# Altium PCB MCU009A_PCB.PcbDoc (part 1 of 4) (continued)
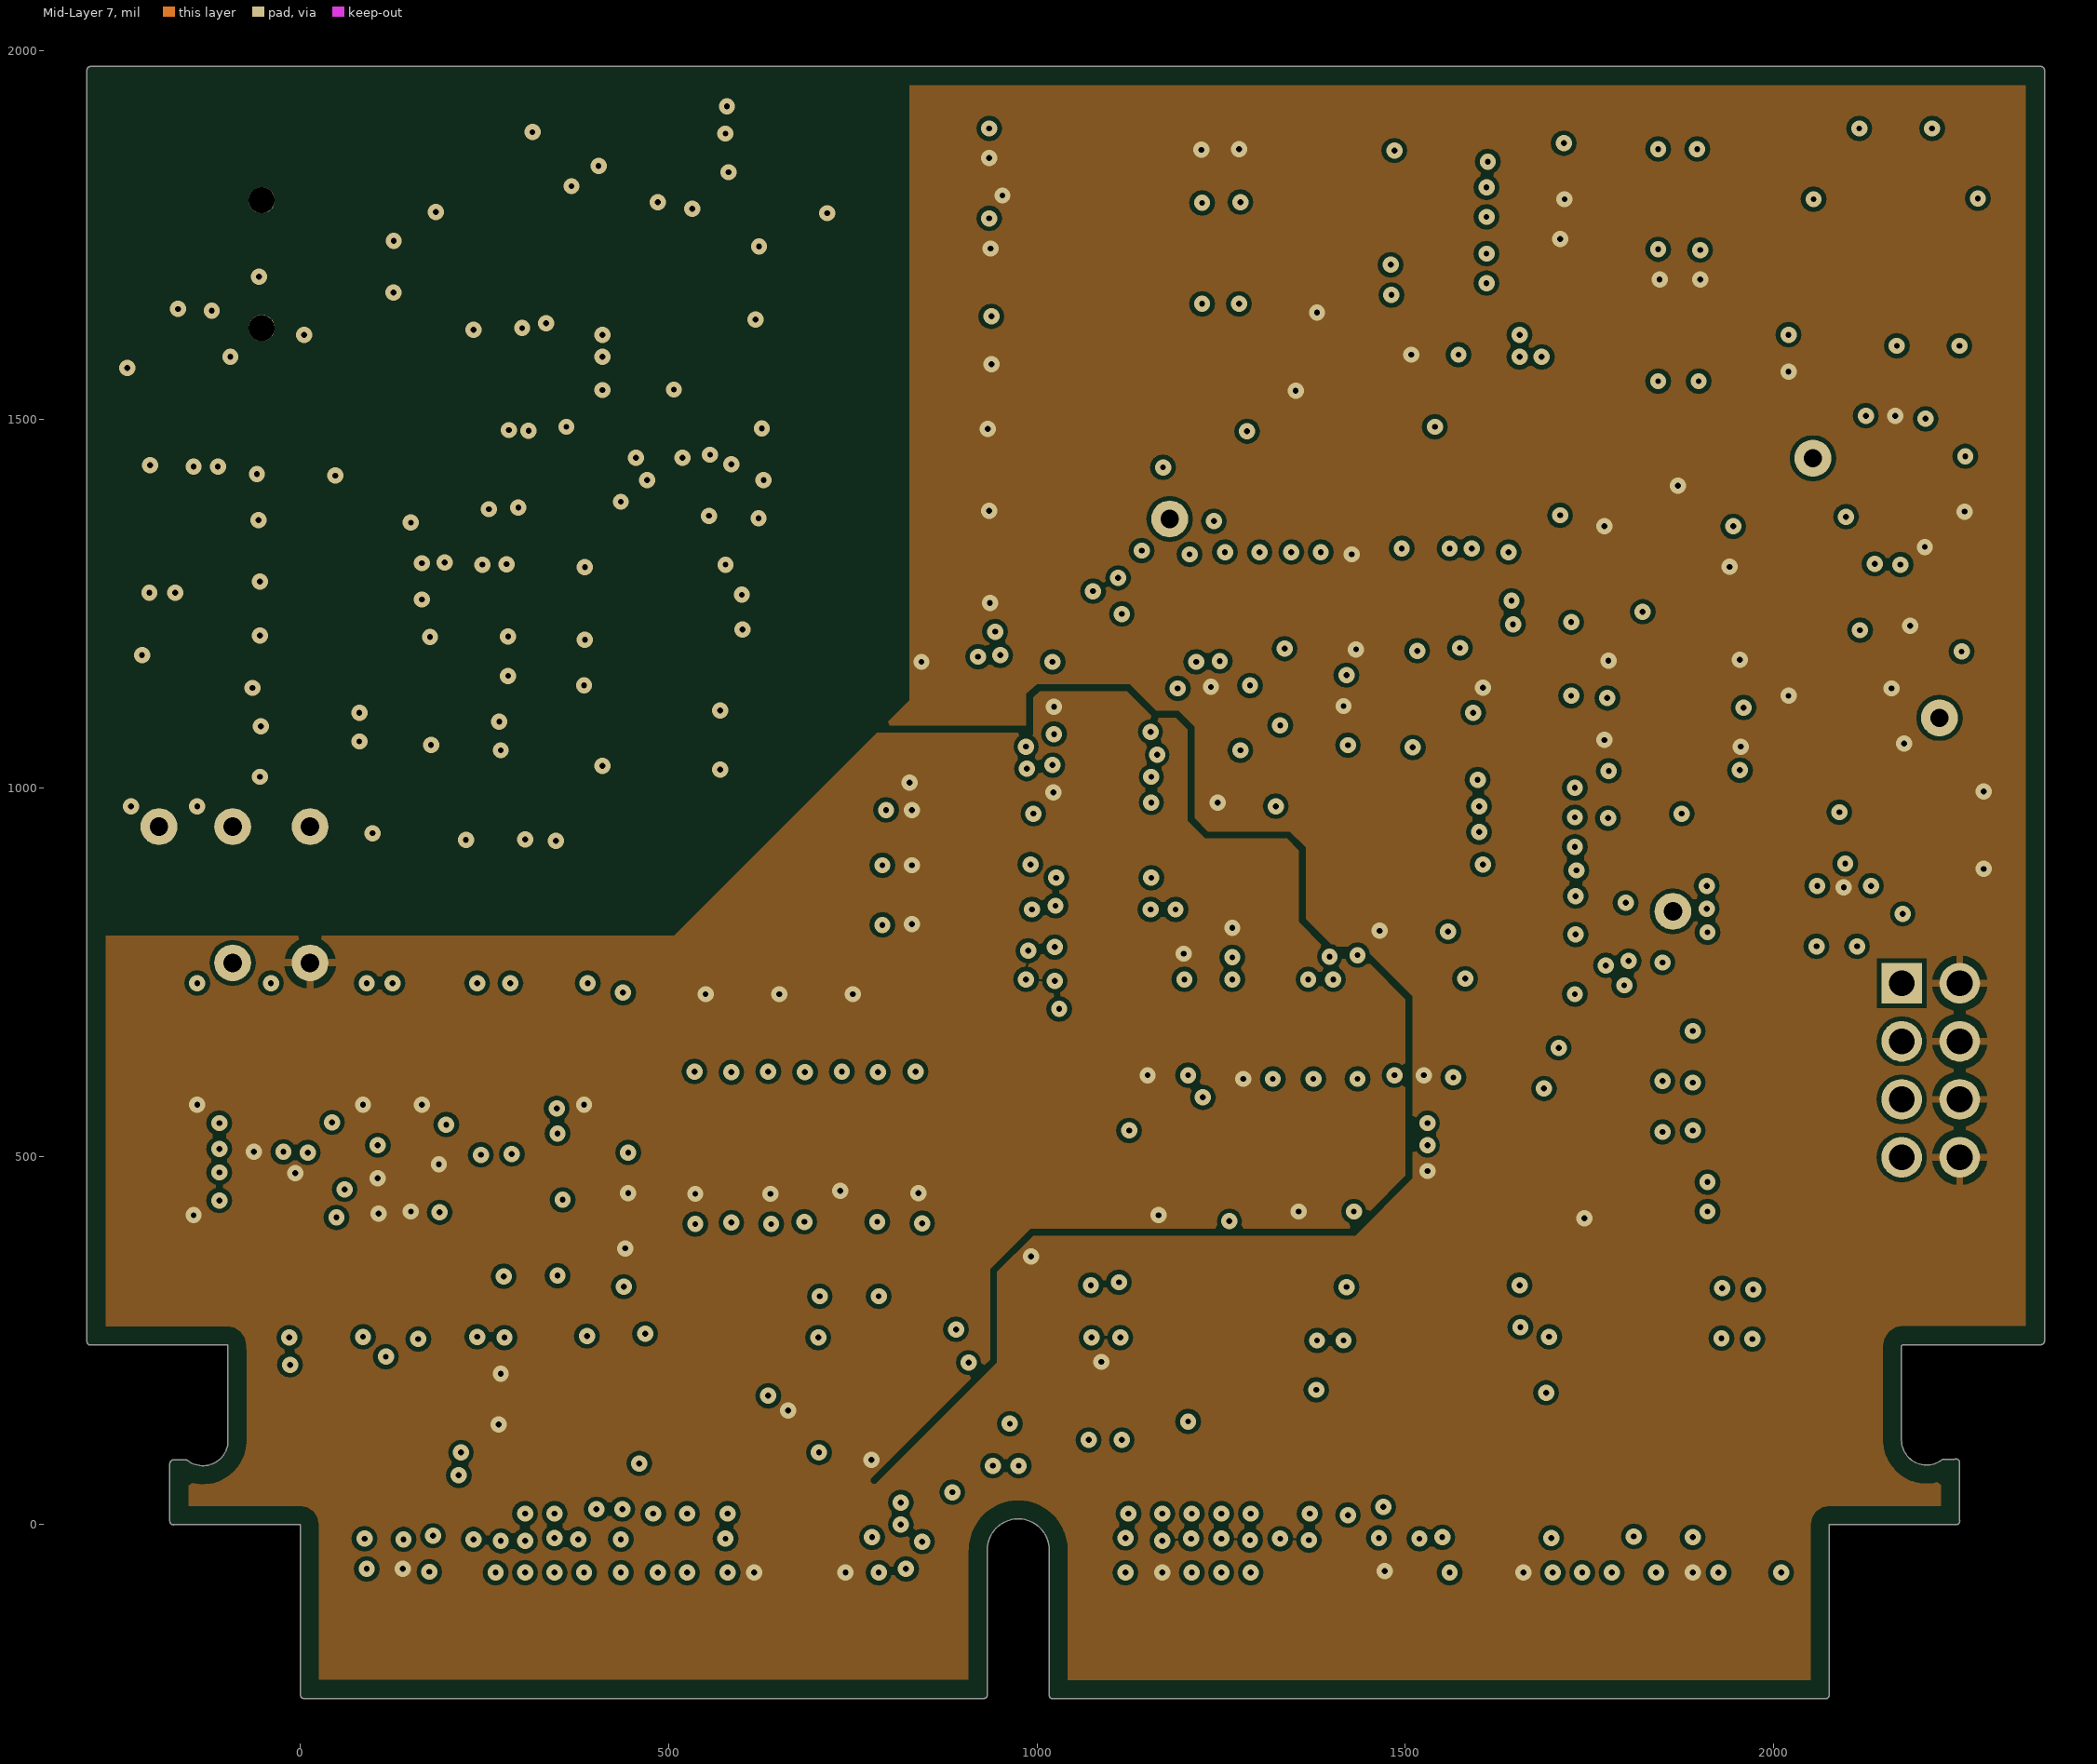
[diagram p7: Mid-Layer 7]
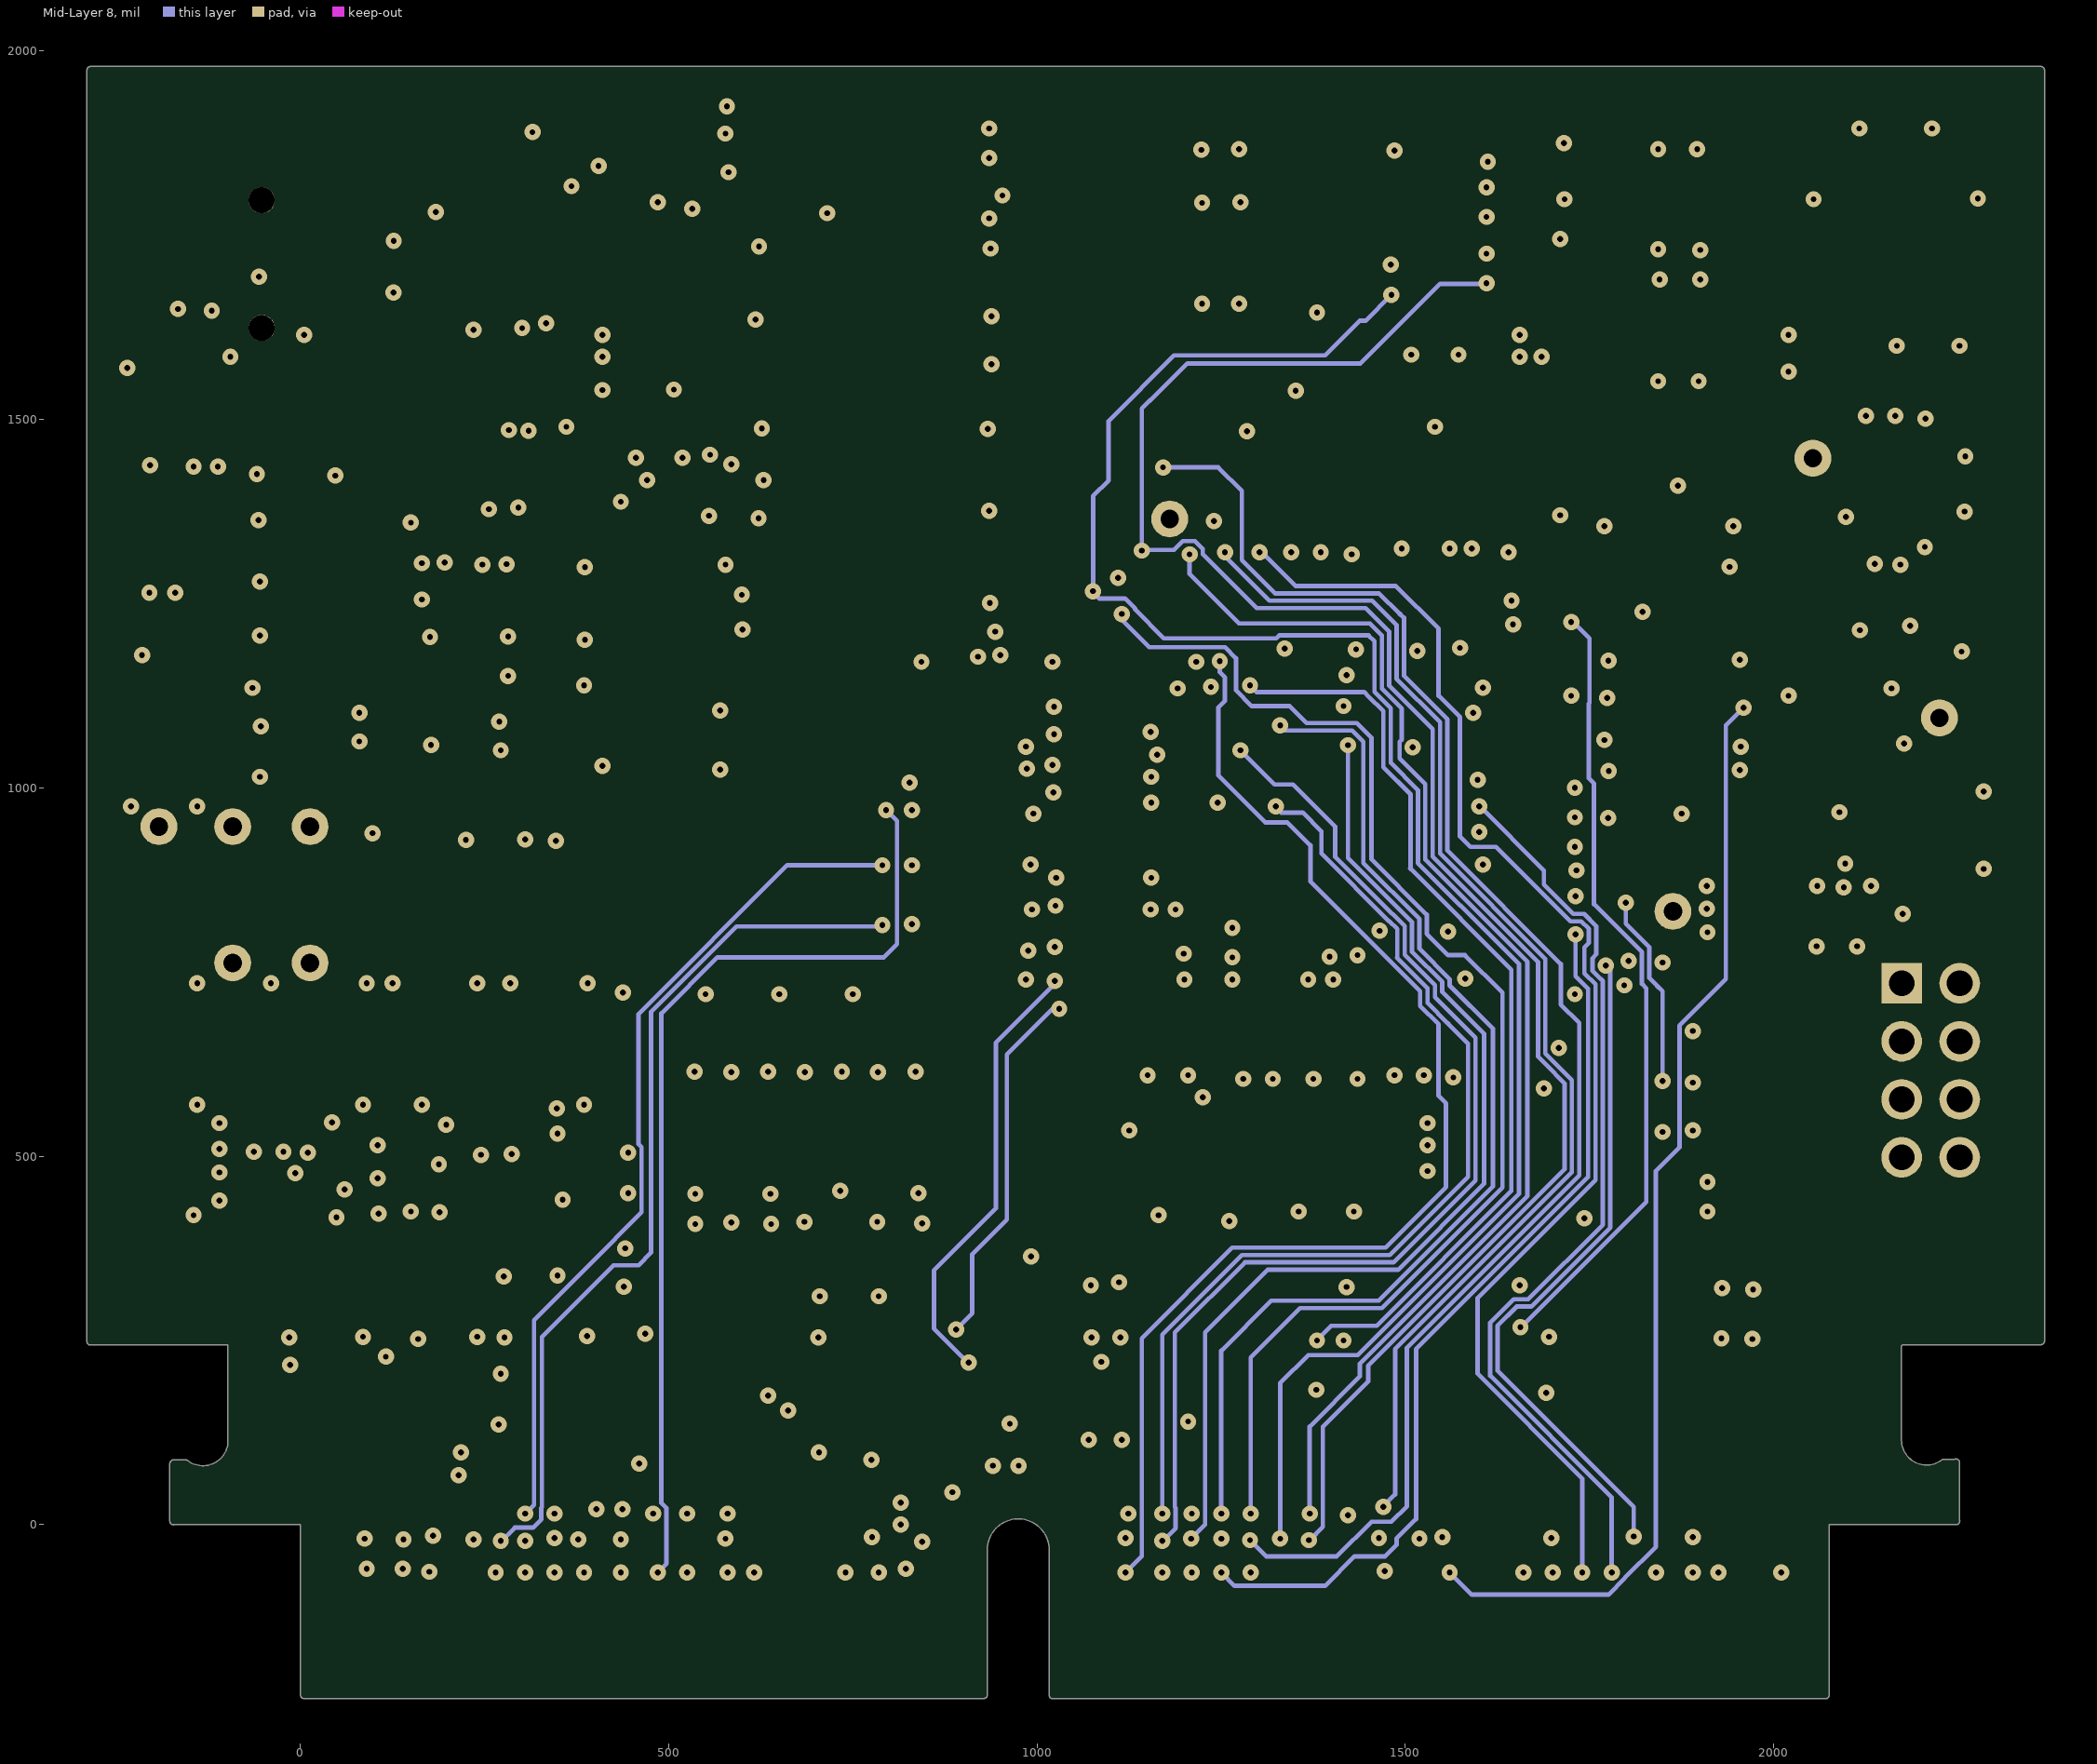
[diagram p8: Mid-Layer 8]
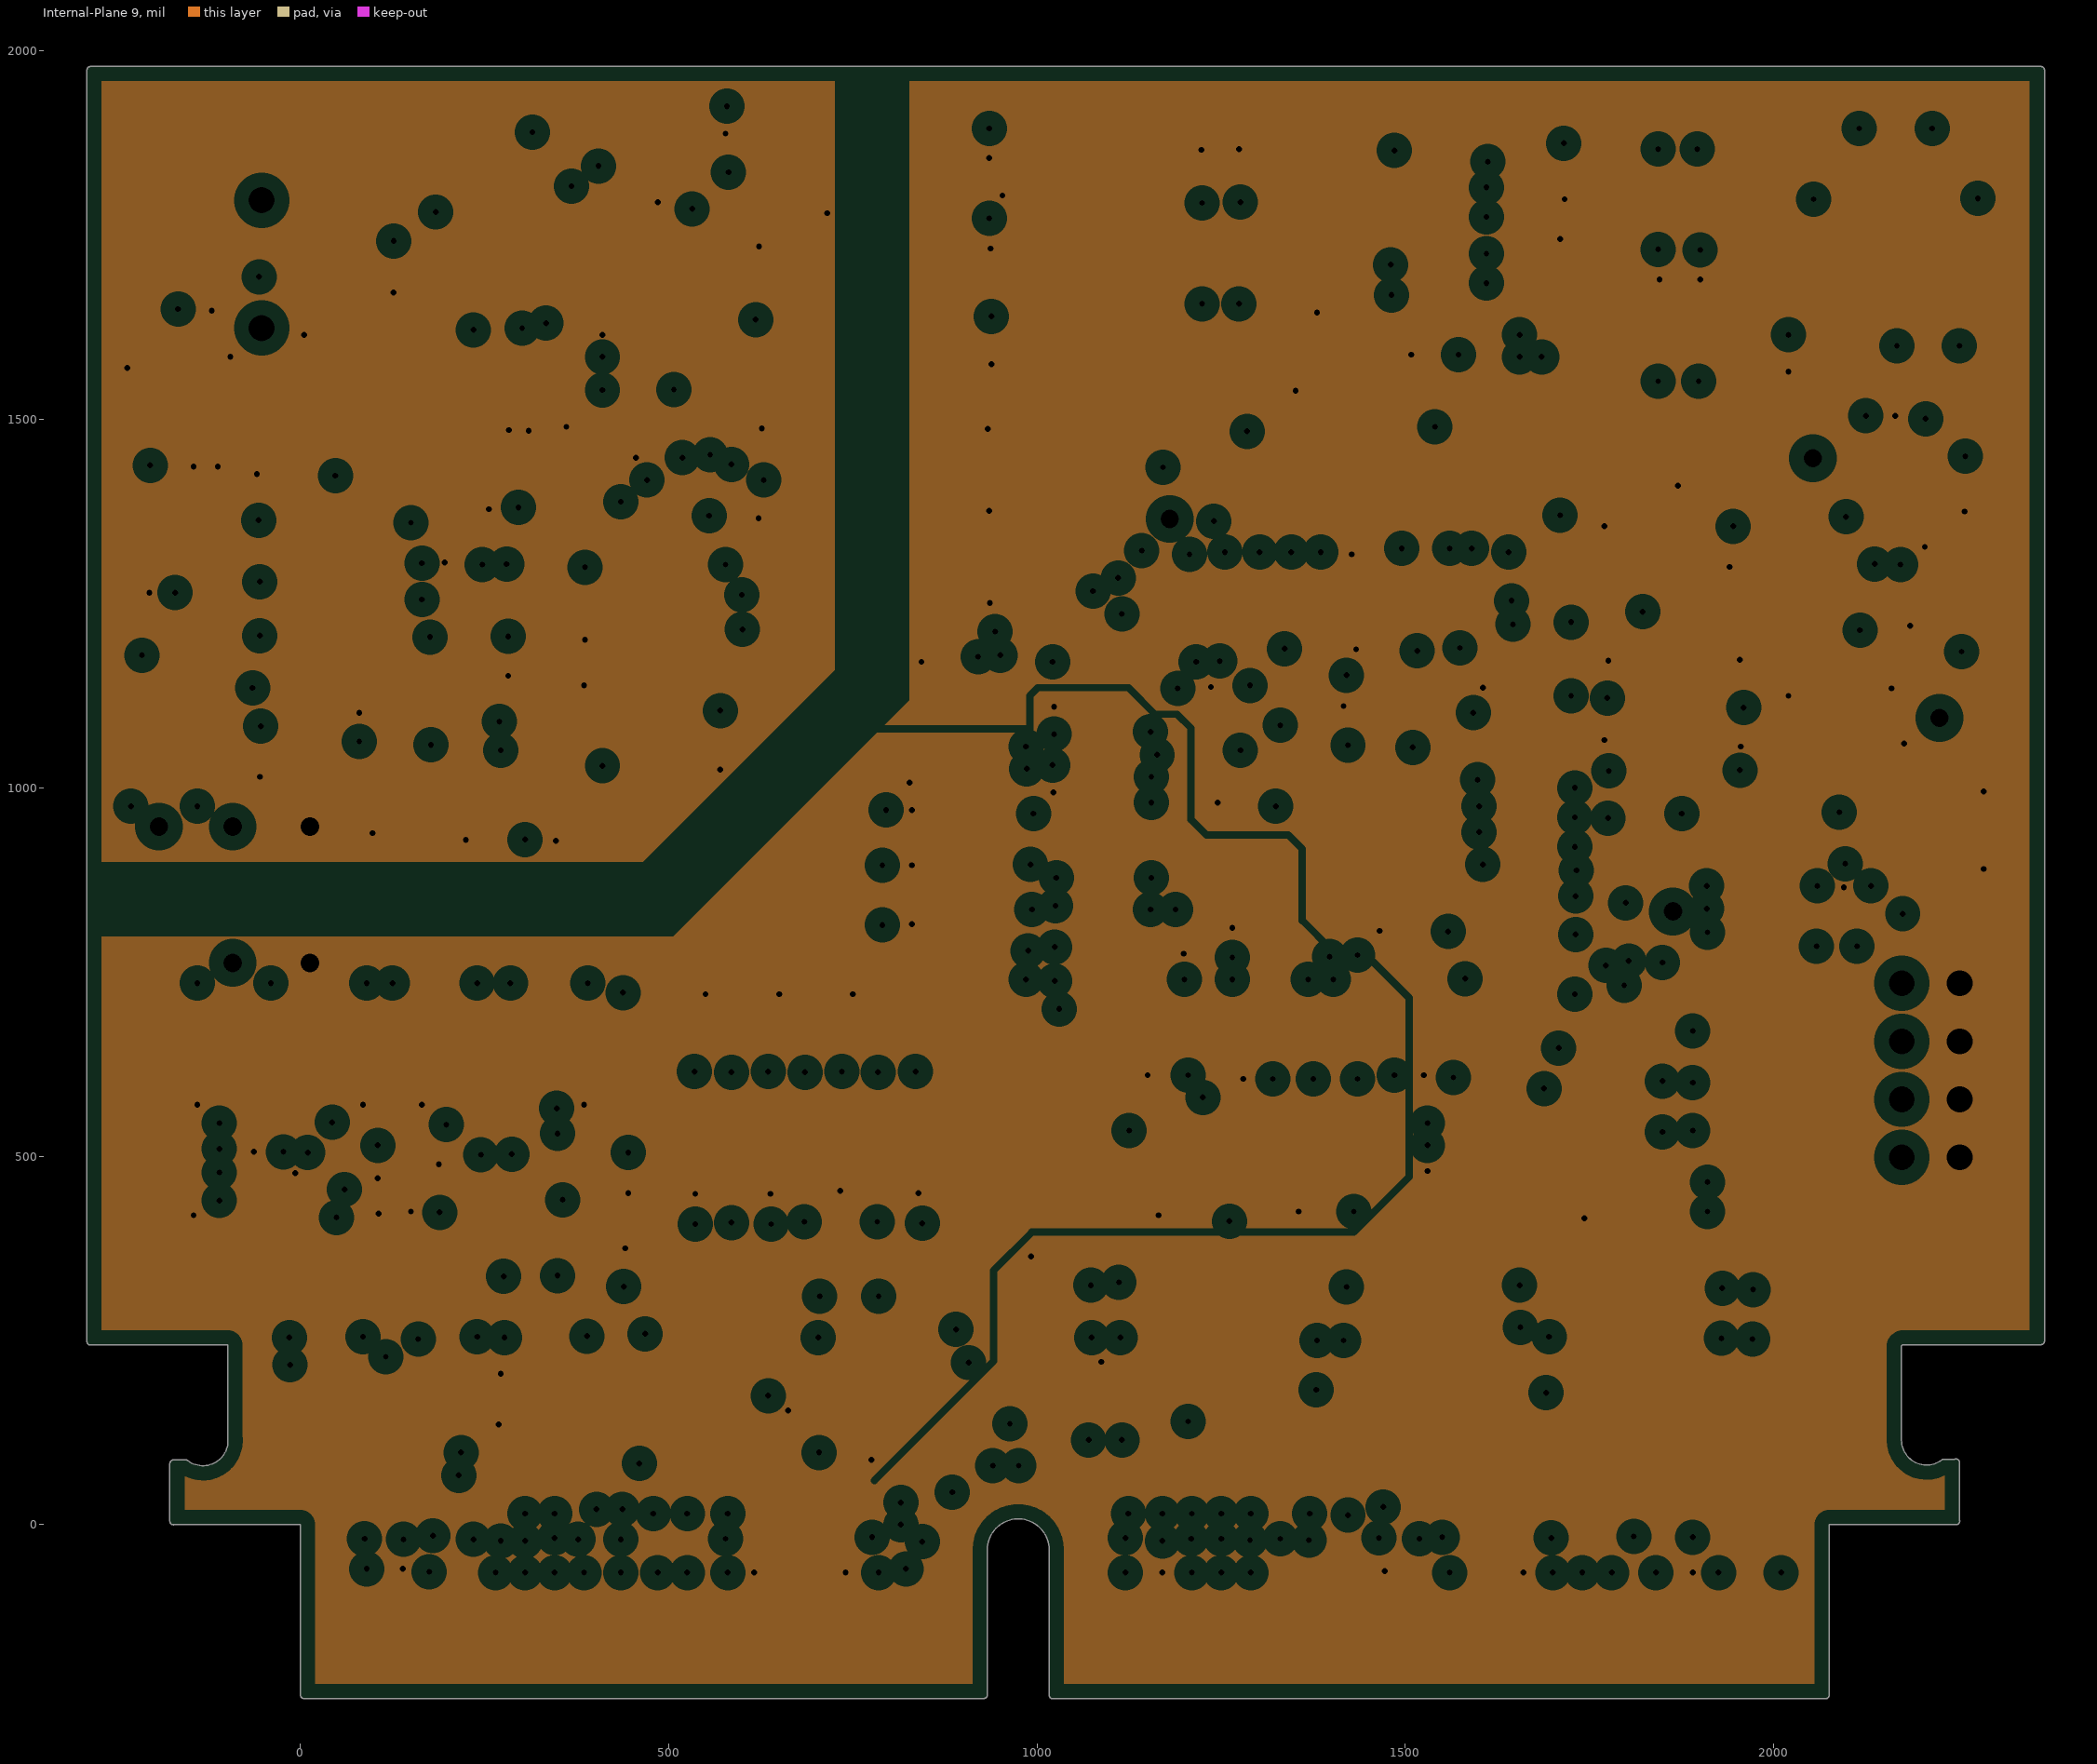
[diagram p9: Internal-Plane 9, clearances drawn from the general rule]

## Layer stack, top to bottom
Top Solder: solder mask 0.4, Solder Resist, Dk 3.5
Top Layer: signal copper 1.4
Dielectric1: core 5, FR-4, Dk 4.8
Internal-Plane 2: plane copper 1.4, net (Multiple Nets)
Dielectric6: dielectric 5, FR-4, Dk 4.8
Mid-Layer 3: signal copper 1.4
Dielectric2: dielectric 5, FR-4, Dk 4.8
Mid-Layer 4: signal copper 1.4
Dielectric3: dielectric 5, FR-4, Dk 4.8
Internal-Plane 5: plane copper 1.4, net (Multiple Nets)
Dielectric8: dielectric 5, FR-4, Dk 4.8
Internal-Plane 6: plane copper 1.4, net (Multiple Nets)
Dielectric7: dielectric 5, FR-4, Dk 4.8
Mid-Layer 7: signal copper 1.4
Dielectric5: dielectric 5, FR-4, Dk 4.8
Mid-Layer 8: signal copper 1.4
Dielectric4: dielectric 5, FR-4, Dk 4.8
Internal-Plane 9: plane copper 1.4, net (Multiple Nets)
Dielectric9: dielectric 5, FR-4, Dk 4.8
Bottom Layer: signal copper 1.4
Bottom Solder: solder mask 0.4, Solder Resist, Dk 3.5

## Board outline
-177.19,4.84 ccw(c-172.18,4.84) -171.01,-0.04 0.06,-0.04 0.06,-231.05 ccw(c5.07,-231.05) 5.9,-236 927.51,-236 ccw(c927.51,-230.98) 932.53,-230.98 ccw(c927.51,-230.98) 932.32,-229.56 932.32,-35.08 932.42,-34.1 cw(c974.4,-34.1) 1016.39,-34.1 1016.39,-231.27 ccw(c1021.4,-231.27) 1017.86,-234.81 1017.92,-234.88 ccw(c1021.47,-231.33) 1021.47,-236.35 1034.75,-236.35 1035.58,-236.28 2070.22,-236.28 ccw(c2070.22,-231.26) 2075.23,-231.26 2075.16,-230.44 2075.16,-0.11 2247.39,-0.11 ccw(c2247.39,4.91) 2252.41,4.91 ccw(c2247.39,4.91) 2252.2,6.33 2252.2,84.13 ccw(c2247.19,84.13) 2245.21,88.74 2230.93,88.74 ccw(c2230.93,83.73) 2227.9,87.73 cw(c2207.4,114.83) 2173.42,114.71 2173.42,242.73 2174.88,244.19 2362.35,244.19 ccw(c2362.35,249.21) 2365.9,245.66 2365.96,245.72 ccw(c2362.41,249.27) 2367.42,249.27 2367.42,1973.27 2367.49,1974.1 ccw(c2362.48,1974.1) 2362.48,1979.11 -284.69,1979.11 ccw(c-284.69,1974.1) -288.23,1977.64 -288.26,1977.62 ccw(c-284.72,1974.07) -289.73,1974.07 -289.73,248.71 ccw(c-284.72,248.71) -284.72,243.7 -98.73,243.7 -98.73,238.74 ccw(c-93.71,238.74) -98.32,236.75 -98.32,115.84 -98.31,115.56 cw(c-132.26,113.93) -98.27,113.93 cw(c-132.26,113.93) -152.76,86.83 ccw(c-155.78,82.83) -155.78,87.84 -172.11,87.84 ccw(c-172.11,82.83) -175.66,86.37 -175.72,86.31 ccw(c-172.18,82.76) -177.19,82.76

## Design rules (kind name [scope] priority, off if disabled: settings)
AcuteAngle [All] p1: minimum=4.50000000000000E+0001 checktracksonly=FALSE
AssemblyTestPointUsage [All] p1: valid=2
BoardOutlineClearance BoardOutlineClearance_MountingHoles [OnCopper and InComponentClass('Mounting Holes')] p1: gap=40
BoardOutlineClearance BoardOutlineClearance_Poly [OnCopper and IsPoly] p2: gap=25
BoardOutlineClearance [OnCopper and Not InComponentClass('Logo') and not InComponentClass('FiducialMark') and not InComponent ('EC1') and not InPoly and not InRegion(-350,-150,2400,2025)] p3: gap=40
Clearance Clearance_Keepouts [((IsTrack Or IsArc) And Not InPoly) And IsFree and IsKeepOut vs ((IsTrack Or IsArc) And Not InPoly) And IsFree and IsKeepOut] p1: gap=0
Clearance Clearance_Boardedge_MountingHole [OnCopper and InComponentClass('Mounting Holes') vs IsKeepOut] p2: gap=30
Clearance Clearance_Boardedge_Poly [OnCopper and InPoly vs IsKeepOut] p3: gap=25
Clearance Clearance_Boardedge [OnCopper and Not InComponentClass('Logo') and not InComponentClass('FiducialMark') and not Incomponent ('EC1') and Not IsKeepout vs IsKeepOut] p4: gap=10
Clearance Clearance_Poly [InPolygon] p5: gap=6
Clearance [All] p6: gap=4
ComponentClearance ComponentClearance_MountingHoles_FiducialMarks [InComponentClass('Mounting Holes') vs InComponentClass('FiducialMark')] p1: gap=50 collisioncheckmode=3 verticalgap=10 showdistances=FALSE
ComponentClearance ComponentClearance_Shunt [InComponentClass('Header') vs InComponentClass('Shunt')] p2: gap=0 collisioncheckmode=3 verticalgap=0 showdistances=FALSE
ComponentClearance ComponentClearance_Logo [InComponentClass('Logo')] p3: gap=50 collisioncheckmode=3 verticalgap=10 showdistances=FALSE
ComponentClearance ComponentClearance_ScrewToNut [(HasFootprint('NY PMS 440 0025 PH')) vs (HasFootprint('Keystone_1902C'))] p4: gap=5 collisioncheckmode=3 verticalgap=10 showdistances=FALSE
ComponentClearance ComponentClearance_MountingHoles [InComponentClass('Mounting Holes')] p5: gap=250 collisioncheckmode=3 verticalgap=100000 showdistances=FALSE
ComponentClearance ComponentClearance_SmallPassives [HasFootprint('0201*') or HasFootprint('0402*') or HasFootprint('0508') or HasFootprint('0603*') or HasFootprint('0612') or HasFootprint('0805*') or HasFootprint('0815*') or HasFootprint('0830*') or HasFootprint('1206*') or HasFootprint('1210*') or HasFootprint('1808*') or HasFootprint('1812*') or HasFootprint('1825*') or HasFootprint('2010*') or HasFootprint('2220*') or HasFootprint('2225*') or HasFootprint('2512*') or HasFootprint('2728*') or HasFootprint('3518*') vs HasFootprint('0201*') or HasFootprint('0402*') or HasFootprint('0508') or HasFootprint('0603*') or HasFootprint('0612') or HasFootprint('0805*') or HasFootprint('0815*') or HasFootprint('0830*') or HasFootprint('1206*') or HasFootprint('1210*') or HasFootprint('1808*') or HasFootprint('1812*') or HasFootprint('1825*') or HasFootprint('2010*') or HasFootprint('2220*') or HasFootprint('2225*') or HasFootprint('2512*') or HasFootprint('2728*') or HasFootprint('3518*')] p6: gap=10 collisioncheckmode=3 verticalgap=10 showdistances=FALSE
ComponentClearance ComponentClearance_THtoSMT [IsThruComponent vs IsSMTComponent and not Incomponent ('J1') and not Incomponent ('J2') and not Incomponent ('J3') and not Incomponent ('J4')] p7: gap=40 collisioncheckmode=3 verticalgap=30 showdistances=FALSE
ComponentClearance ComponentClearance_THtoTH [IsThruComponent vs IsThruComponent] p8: gap=30 collisioncheckmode=3 verticalgap=30 showdistances=FALSE
ComponentClearance [All] p9: gap=30 collisioncheckmode=3 verticalgap=10 showdistances=FALSE
DiffPairsRouting [All] p1: maxlimit=100 minlimit=10 mostfreqgap=10 toplayer_minwidth=15 toplayer_maxwidth=15 toplayer_prefwidth=15 midlayer1_minwidth=15 midlayer1_maxwidth=15 midlayer1_prefwidth=15 midlayer2_minwidth=15 midlayer2_maxwidth=15 midlayer2_prefwidth=15 midlayer3_minwidth=15 midlayer3_maxwidth=15 midlayer3_prefwidth=15 midlayer4_minwidth=15 midlayer4_maxwidth=15 midlayer4_prefwidth=15 bottomlayer_minwidth=15 bottomlayer_maxwidth=15 bottomlayer_prefwidth=15 maxuncoupledlength=1000
FabricationTestPointUsage TestPointUsage [All] p1: valid=2 allowmultiple=FALSE
FabricationTestpoint Testpoint [All] p1: side=3 testpointundercomponent=TRUE minsize=40 maxsize=100 preferedsize=60 minholesize=0 maxholesize=40 preferedholesize=32 testpointgrid=1 allowsidetop=TRUE allowsidebottom=TRUE usegrid=TRUE gridtolerance=0.01
FanoutControl Fanout_LCC [IsLCC] p1: bgadir=Out bgaviamode=Centered fanoutstyle=Auto fanoutdirection=Alternating viagrid=1 // Fanout_LCC (Default Rule)
FanoutControl Fanout_BGA [IsBGA] p2: bgadir=Out bgaviamode=Centered fanoutstyle=Auto fanoutdirection=Alternating viagrid=1 // Fanout_BGA (Default Rule)
FanoutControl Fanout_Default [All] p4: bgadir=Out bgaviamode=Centered fanoutstyle=Auto fanoutdirection=Alternating viagrid=1 // Fanout_Default (Default Rule)
FanoutControl Fanout_Small [(CompPinCount < 5)] p5: bgadir=Out bgaviamode=Centered fanoutstyle=Auto fanoutdirection=OutThenIn viagrid=1 // Fanout_Small (Default Rule)
HoleSize [All] p1: absolutevalues=TRUE maxlimit=251 minlimit=7.87 maxpercent=80.000 minpercent=20.000
MinimumAnnularRing MinimumAnnularRing_ThermalPadVias [IsVia and InAnyComponent] p1: minimumring=5.91
MinimumAnnularRing [All] p2: minimumring=7
MinimumSolderMaskSliver MinimumSolderMaskSliver_Logo [InComponentClass('Logo') vs InComponentClass('Logo')] p1: minsoldermaskwidth=0.7
MinimumSolderMaskSliver [All] p2: minsoldermaskwidth=3.94
PlaneClearance PlaneClearance_Via [IsVia] p1: clearance=15
PlaneClearance [All] p2: clearance=20
PlaneConnect [All] p1: planeconnectstyle=Relief reliefexpansion=10 reliefentries=4 reliefconductorwidth=10 reliefairgap=10
PolygonConnect PolygonConnect_via [isvia] p1: connectstyle=Direct reliefconductorwidth=10 reliefentries=4 polygonreliefangle="90 Angle" airgapwidth=10
PolygonConnect [All] p2: connectstyle=Relief reliefconductorwidth=10 reliefentries=4 polygonreliefangle="90 Angle" airgapwidth=10
RoutingVias ThermalPadVias [IsVia and InAnyComponent] p1: holewidth=8 width=22 viastyle="Through Hole" minholewidth=8 minwidth=22 maxholewidth=12.99 maxwidth=23.62